# KiCad board coleco_original_main_only.kicad_pcb (continued)
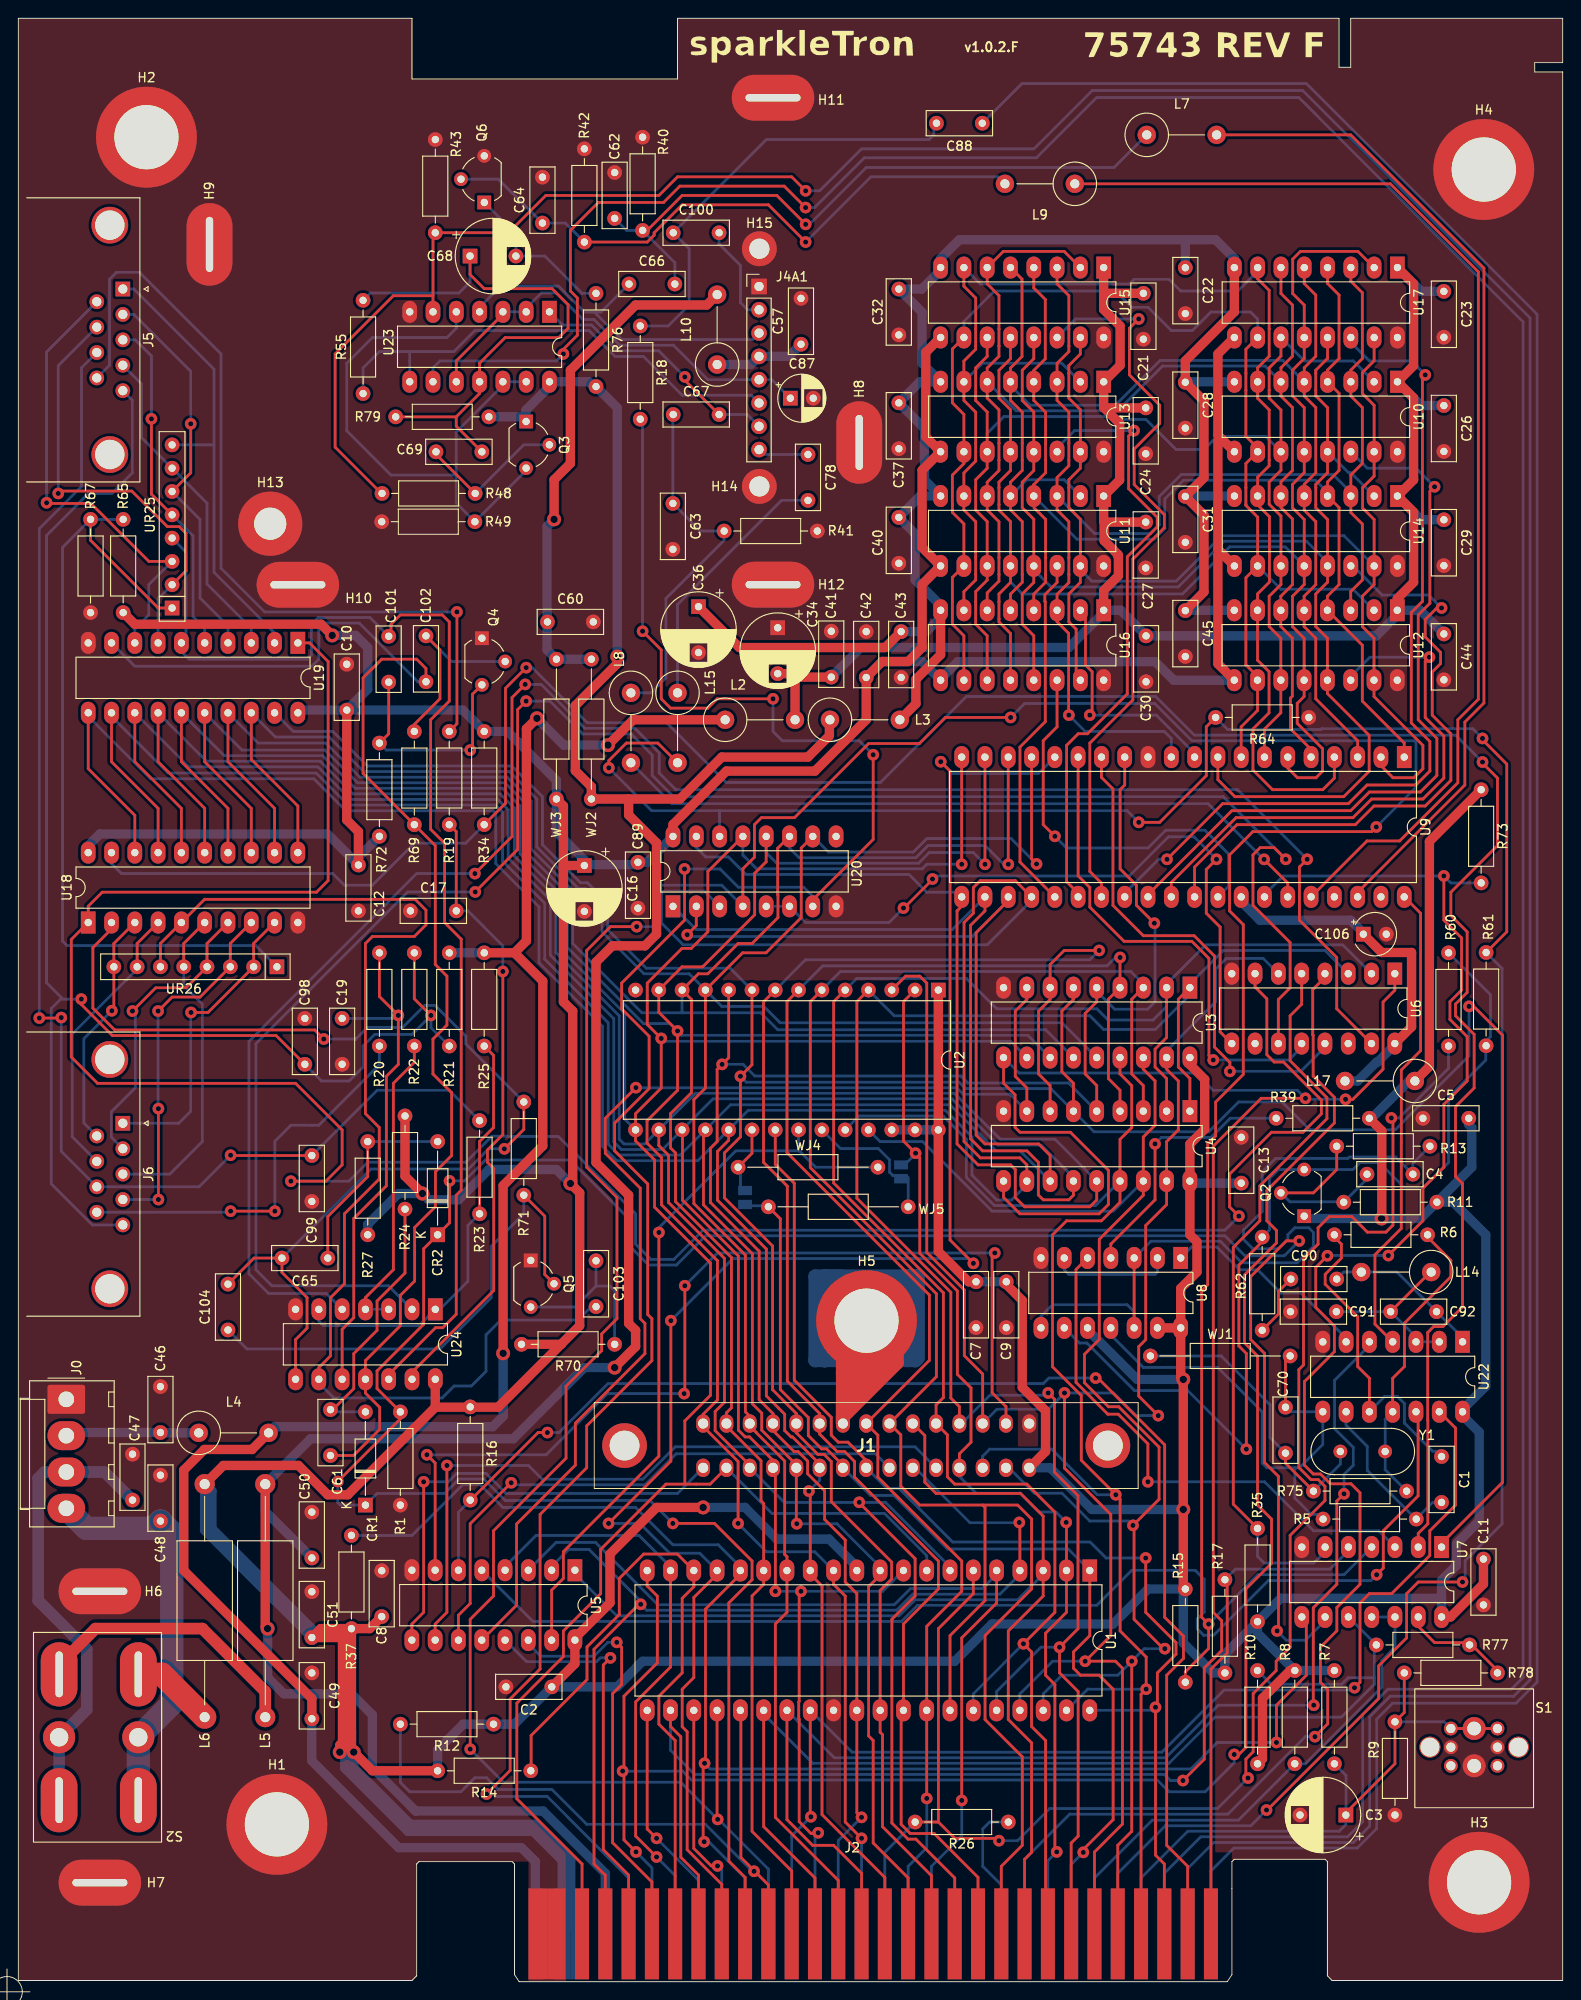
[diagram p0: board, top side]
## Routing (per net, layer and track width the routed paths; a pad name or vN(x,y) marks a point on that pad's centre or on a via; arc(x,y) is an arc through that point) (continued)
  Top w0.305: U9.24 108.71,120.02 104.9,120.02 104.14,119.25 104.14,116.46 103.12,115.44 103.12,91.57 104.9,89.79 109.22,89.79 109.97,89.04 U4.11 ; J2.16 94.49,11.36 87.64,18.21 87.64,43.13 86.36,44.41 U1.13 86.36,53.31 v1(86.2,53.47) ; U19.11 7.62,132.21 12.7,127.13 U18.18 ; U2.19 77.46,91.71 76.23,90.48 76.23,85.18 81.57,79.85 81.57,63.85 82.91,62.51 83.57,61.85 83.57,60.07 84.26,59.38 84.42,59.38 87.38,56.42 J1.12
  Bottom w0.305: U9.24 110.49,117.84 105.67,113.02 72.48,113.02 70.13,115.38 70.13,118.86 74.81,118.86 U20.3 ; U19.11 7.62,137.9 14.41,131.11 32.22,131.11 35.71,127.62 51.8,127.62 52.06,127.36 52.06,121.87 56.78,117.15 56.78,111.06 63.7,104.13 63.7,91.04 65.26,89.48 74.1,89.48 U2.19 79.59,94.97 101.09,94.97 103.99,92.07 103.99,87.91 106.7,85.2 108.31,85.2 109.97,86.86 U4.11 ; J1.12 87.38,54.64 v1(86.2,53.47)
/cpu/~{BUSAK}: length 26
  Top w0.305: v1(76.24,12.62) 75.56,12.62 73.66,14.52 U1.23
  Bottom w0.305: J2.52 76.71,12.15 v1(76.24,12.62)
/cpu/~{BUSRQ}: length 76.1
  Top w0.305: 80.45,11.87 80.3,12.03 v1(80.23,12.03) ; 80.45,11.87 81.79,10.54 J2.11 ; 80.45,11.87 78.79,13.54 78.79,29.52 U1.25
  Bottom w0.305: v1(80.23,12.03) 80.05,12.03 74.93,17.15 61.98,17.15 58.17,20.96 52.32,20.96 51.05,22.22 49.78,22.22 48.26,20.7 42.67,20.7 41.66,21.72 R12.2
/cpu/~{HALT}: length 76.8
  Top w0.305: J2.7 71.63,26.29 69.85,28.07 69.85,31.12 72.39,33.66 72.39,41.78 73.66,43.05 U1.18 71.86,46.61 68.2,46.61 65.53,43.95 65.53,40 62.01,36.48 62.01,32.93 55.91,26.83 55.91,23.02 R14.1
/cpu/~{IORQ}: length 207.6
  Top w0.305: v1(67.35,14.14) 66.04,15.45 66.04,22.8 v1(65.9,22.95) 66.04,23.09 66.04,31.12 69.68,34.75 69.68,42.02 68.58,43.13 U1.20 ; U6.4 142.48,109.47 141.15,108.14 141.15,103.22 141.2,103.17 141.2,98.71 143.51,96.39 143.51,93.6 136.14,86.23 136.14,82.93 137.19,81.88 137.19,80.52 133.71,77.04 133.71,69.62 135.13,68.2 135.13,51.94 136.65,50.42 136.65,45.59 133.86,42.8 133.86,25.53 133.1,24.77 v1(132.59,24.77)
  Bottom w0.305: J2.55 69.09,12.41 v1(67.35,14.14) ; v1(132.59,24.77) 132.59,23.87 129.42,20.7 125.48,20.7 124.21,21.97 73.41,21.97 72.43,22.95 v1(65.9,22.95)
/cpu/~{MREQ}: length 64.6
  Top w0.305: U1.19 71.12,34.29 67.31,30.48 67.31,15.88 v1(69.6,13.59)
  Bottom w0.305: U5.4 53.07,45.25 56.47,48.64 67.69,48.64 71.12,45.21 U1.19 ; v1(69.6,13.59) 71.63,11.56 J2.54
/cpu/~{NMI}: length 187.7
  Top w0.305: U1.17 76.2,44.41 73.66,41.88 73.66,33.15 72.39,31.88 72.39,27.79 72.93,27.24 72.93,14.39 76.71,10.61 J2.9 ; v1(71.15,72.04) 71.15,56.74 v1(64.36,49.94) ; v1(104.14,78.3) 101.6,80.84 101.6,131.95 v1(100.58,132.97)
  Bottom w0.305: U1.17 74.31,46.7 71.03,46.7 67.78,49.94 v1(64.36,49.94) ; v1(104.14,78.3) 103.62,78.82 77.93,78.82 v1(71.15,72.04) ; U9.16 111.25,131.7 101.85,131.7 v1(100.58,132.97)
/cpu/~{RD}: length 26.7
  Top w0.305: U1.21 68.58,16.64 v1(69.6,15.62)
  Bottom w0.305: J2.53 74.17,11.05 v1(69.6,15.62)
/cpu/~{WR}: length 264.6
  Top w0.305: U1.22 71.12,27.82 72.24,26.7 72.24,13.56 74.17,11.62 J2.8 ; v1(144.73,96.17) 145.52,96.17 148.82,99.46 148.82,106.78 150.1,108.06 U6.1 ; U4.10 107.43,85.48 109.22,83.69 117.86,83.69 118.87,84.71 118.87,88.43 114.72,92.58 109.22,92.58 108.69,93.11 108.69,96.67 107.43,97.93 U3.10 ; v1(127,21.92) 129.32,24.24 129.32,34.2 131.22,36.09 131.22,39.34 130.3,40.26 130.3,91.06 135.53,96.28 v1(140.35,96.28)
  Bottom w0.305: U3.10 109.12,99.03 128.42,99.03 130.3,97.16 139.48,97.16 v1(140.35,96.28) 140.46,96.17 v1(144.73,96.17) ; v1(127,21.92) 125.63,21.92 124.97,22.58 73.76,22.58 71.12,25.22 U1.22
/decoder_logic/AUX_DECODE_1: length 148.3
  Top w0.305: v1(117.47,65.79) 117.73,65.79 125,58.51 125,39.72 127.05,37.67 127.05,35.23 125.22,33.4 125.22,14.86 127.51,12.57 J2.29 ; 49.28,52.45 56.68,59.85 v1(57.69,59.85)
  Bottom w0.305: v1(117.47,65.79) 112.38,65.79 111.77,65.19 64.3,65.19 58.96,59.85 v1(57.69,59.85) ; U5.6 47.99,51.17 49.28,52.45
/decoder_logic/~{CS_h2000}: length 45.4
  Top w0.305: J2.6 69.09,10.86 64.8,15.15 64.8,31.4 65.79,32.39 65.79,36.45 v1(65.25,36.98)
  Bottom w0.305: U5.14 55.61,36.83 56.95,35.48 62.79,35.48 64.29,36.98 v1(65.25,36.98)
/decoder_logic/~{CS_h4000}: length 44.2
  Top w0.305: v1(64.56,35.29) 63.79,34.52 63.79,14.39 66.55,11.62 J2.5
  Bottom w0.305: v1(64.56,35.29) 63.46,35.29 63.04,34.87 55.42,34.87 U5.13
/decoder_logic/~{CS_h8000}: length 62.9
  Top w0.305: v1(53.74,54.38) 49.27,49.91 49.27,41.22 47.99,39.94 U5.11
  Bottom w0.305: J1.18 93.47,57.53 71.73,57.53 68.36,54.16 53.96,54.16 v1(53.74,54.38)
/decoder_logic/~{CS_hA000}: length 75.9
  Top w0.305: U5.10 45.45,38.97 46.73,40.26 46.73,56.26 v1(46.74,56.26)
  Bottom w0.305: J1.22 97.79,58.29 71.63,58.29 68.11,54.77 57.12,54.77 55.63,56.26 v1(46.74,56.26)
/decoder_logic/~{CS_hC000}: length 50.7
  Top w0.305: v1(44.2,54.48) 44.19,54.48 44.19,40.26 42.91,38.97 U5.9
  Bottom w0.305: v1(44.2,54.48) 46.89,54.48 47.81,55.4 51,55.4 53.19,53.21 71.88,53.21 J1.2
/decoder_logic/~{CS_hE000}: length 110.2
  Top w0.305: v1(106.48,79.43) 106.18,79.13 106.18,64.19 107.7,62.68 J1.27 ; v1(72.68,75.85) 72.68,64.17 v1(72.6,64.09) ; v1(44.55,57.43) 45.45,56.53 U5.7
  Bottom w0.305: v1(72.68,75.85) 76.25,79.43 v1(106.48,79.43) ; v1(72.6,64.09) 64.22,64.09 57.56,57.43 v1(44.55,57.43)
/decoder_logic/~{CSR}: length 54.1
  Top w0.305: v1(130.3,100.46) 129.83,100.93 129.83,111.53 127.97,113.4 120.57,113.4 116.84,117.13 116.84,119.25 115.56,120.53 U9.15
  Bottom w0.305: v1(130.3,100.46) 138.55,100.46 139.94,101.85 U6.12
/decoder_logic/~{CSW}: length 55.2
  Top w0.305: U9.14 118.11,131.26 119.36,130.01 119.36,117.32 122.67,114 128.22,114 130.44,111.79 130.44,101.87 132.11,100.19 v1(132.11,99.22)
  Bottom w0.305: v1(132.11,99.22) 139.85,99.22 142.48,101.85 U6.13
/decoder_logic/~{RAM_CS}: length 129
  Top w0.305: U4.8 109.97,97.42 108.71,98.68 108.71,105.79 109.97,107.05 U3.8 ; v1(67.34,97.44) 64.01,94.11 64.01,90.3 67.82,86.49 67.82,72.26 68.33,71.75 68.33,68.45 60.74,60.87 60.74,56.3 54.33,49.88 54.33,41.02 U5.12
  Bottom w0.305: U4.8 108.12,96.73 103.03,96.73 102.32,97.44 67.35,97.44 v1(67.34,97.44)
/decoder_logic/~{ROM_ENABLE}: length 82.4
  Top w0.305: U5.15 58.15,42.67 59.43,43.95 59.43,46.86 69.85,57.28 v1(69.85,81.66)
  Bottom w0.305: v1(69.85,81.66) 69.85,82.17 78.23,90.55 85.08,90.55 U2.22 85.08,90.63 86.94,88.77 WJ4.2
/decoder_logic/~{SND_ENABLE}: length 76.5
  Top w0.305: v1(130.66,122.34) 129.54,121.22 129.54,116.46 131.05,114.95 131.05,103.52 U6.9 ; v1(99.68,120.19) 99.68,120.13 96.57,117.02 v1(96.52,117.02)
  Bottom w0.305: U20.5 U20.6 85.85,115.44 94.94,115.44 v1(96.52,117.02) ; v1(99.68,120.19) 100.02,120.52 121.16,120.52 125.43,124.79 128.2,124.79 v1(130.66,122.34)
/io_ports/EXT_SOUND: length 279.7
  Bottom w0.305: J2.31 130.05,12.06 132.54,14.56 146.01,14.56 148.12,16.67 148.12,28.61 149.86,30.35 163.32,30.35 165.61,32.64 165.61,181.74 140.46,206.88 109.43,206.88 C88.1
/io_ports/EXT_VIDEO: length 361.9
  Top w0.305: v1(85.85,193.37) 83.51,195.71 72.14,195.71 70.36,193.93 63.25,193.93 60.2,190.88 60.2,184.28 60.96,183.52 60.96,179.45 59.44,177.93 v1(59.44,177.42)
  Bottom w0.305: v1(59.44,177.42) 58.67,176.66 45.97,176.66 45.22,175.9 U23.9 ; v1(85.85,193.37) 86.82,193.37 92.25,198.81 111.03,198.81 117.59,205.36 139.64,205.36 164.08,180.92 164.08,33.15 162.81,31.88 149.35,31.88 146.59,29.12 146.59,17.43 144.94,15.78 128.94,15.78 124.97,11.81 J2.33
/io_ports/EXT_VIDEO_SEL: length 385.1
  Top w0.305: U23.6 45.22,183.76 ; 45.22,183.76 40.89,183.76 34.54,177.42 34.54,167.26 39.62,162.18 ; 45.22,183.76 45.22,190.38 R43.2 53.45,190.63 57.52,194.69 69.85,194.69 71.88,196.72 84.33,196.72 v1(85.85,195.2)
  Bottom w0.305: v1(85.85,195.2) 87.38,195.2 91.95,199.77 110.74,199.77 117.09,206.12 140.07,206.12 164.85,181.34 164.85,32.89 163.07,31.12 149.61,31.12 147.35,28.86 147.35,16.95 145.57,15.17 130.36,15.17 127.51,12.32 J2.32
/io_ports/SND_OUT: length 236.6
  Top w0.305: U20.7 86.63,117.91 93.22,124.5 v1(93.22,133.73) ; v1(51.05,20.45) 53.63,23.02 53.63,30.82 56.89,34.08 56.89,50.92 61.98,56.01 61.98,60.58 69.09,67.69 69.09,72.26 68.63,72.72 68.63,86.94 65.02,90.55 65.02,93.58 68.78,97.34 68.78,103.05 65.79,106.05 65.79,108.84 72.65,115.7 72.65,121.28 v1(72.64,121.29) ; v1(82.3,139.83) 76.2,139.83 75.18,138.81 71.12,138.81 70.1,139.83 70.1,145.16 v1(68.07,147.19)
  Bottom w0.305: v1(68.07,147.19) 68.07,170.05 R18.2 ; J2.56 66.55,11.3 57.66,20.19 52.07,20.19 51.82,20.45 v1(51.05,20.45) ; v1(93.22,133.73) 91.69,135.25 83.31,135.25 82.3,136.27 v1(82.3,139.83) ; v1(72.64,121.29) 76.52,121.29 78.52,119.29 85.63,119.29 86.63,118.29 U20.7
/io_ports/~{VDP_RESET}: length 186.2
  Top w0.305: v1(142.75,79.12) 141.48,77.85 141.48,73.49 143.51,71.46 143.51,68.67 140.24,65.41 140.24,56.3 141.2,55.33 142,55.33 143.07,54.26 145.32,54.26 146.3,53.28 146.3,43.31 143.78,40.78 143.78,38.24 141.99,36.45 141.99,32.62 142.78,31.83 142.78,28.1 v1(141.38,26.7) ; v1(155.45,120.52) 155.45,115.7 157.38,113.77 157.38,108.08 156.11,106.81 156.11,104.88 157.99,103 157.99,98.17 155.45,95.63 155.45,88.77 153.16,86.49 153.16,82.93 149.4,79.16 v1(149.4,79.15)
  Bottom w0.305: U9.34 135.88,118.49 137.92,120.52 v1(155.45,120.52) 156.21,119.76 R73.2 ; v1(141.38,26.7) 140.34,26.7 131.9,18.26 114.66,18.26 109.73,13.34 J2.39 ; v1(149.4,79.15) 149.39,79.16 142.78,79.16 v1(142.75,79.12)
/psu/+5NF: length 9.2
  Top w2.54: S2.3 15.65,33.5 L6.1
/psu/+12NF: length 29.8
  Top w1.27: 4.45,34.51 8.41,38.48 20.07,38.48 26.92,31.62 L5.1
/rf_mod/B-Y: length 78.6
  Top w0.305: U9.35 138.43,119.75 v1(135.85,122.33)
  Bottom w0.305: v1(135.85,122.33) 135.81,122.33 129.74,128.4 71.26,128.4 L8.2
/rf_mod/R-Y: length 109.4
  Top w0.305: L7.2 145.29,201.3 159.82,186.77 159.82,139.37 157.73,137.29 157.73,130.43 146.05,118.74 U9.38
/rf_mod/sub_rf_mod/2: length 10.9
  Bottom w0.305: C100.2 76.41,189.4 78.74,187.07 78.74,183.01 79.52,182.23 J4A1.2
/rf_mod/sub_rf_mod/3: length 40.3
  Bottom w0.305: 62.23,181.99 61.72,181.99 58.89,184.82 52.61,184.82 50.3,182.5 U23.4 ; 62.23,181.99 63.54,181.99 C66.1 ; 62.23,181.99 62.81,181.99 65.82,178.98 80.06,178.98 J4A1.3
/rf_mod/sub_rf_mod/5: length 46.9
  Top w0.305: U23.3 52.84,181.74 47.76,176.66 U23.10
  Bottom w0.305: C87.1 82.17,174.61 J4A1.5 75.2,174.61 71.44,178.37 65.57,178.37 62.76,181.18 61.56,181.18 58.68,184.06 57.03,184.06 55.38,182.41 U23.2 U23.3
/rf_mod/sub_rf_mod/6: length 54.2
  Bottom w0.305: J4A1.6 79.92,172.92 72.39,172.92 68.16,177.15 65.06,177.15 62.25,179.96 49.78,179.96 47.5,177.67 42.67,177.67 ; R55.1 37.59,175.9 39.37,177.67 42.67,177.67 ; 42.67,177.67 42.67,176.66 42.68,176.65 U23.8
/rf_mod/sub_rf_mod/7: length 28.2
  Top w0.305: v1(72.68,174.91) 72.68,174.55 C67.2
  Bottom w0.305: v1(72.68,174.91) 69.83,177.76 65.32,177.76 62.51,180.57 59.35,180.57 U23.1 ; C67.2 79.49,170.81 J4A1.7
/rf_mod/sub_rf_mod/8: length 5.6
  Bottom w0.305: C78.1 81.31,166.46 J4A1.8
/rf_mod/Y: length 125.7
  Top w0.305: L9.1 149.61,195.96 159.21,186.36 159.21,139.78 156.97,137.54 156.97,130.68 150.62,124.33 147.06,124.33 U9.36
/video/AD0: length 25.6
  Top w0.305: U16.2 116.37,148.92 116.37,143.51 117.09,142.78 117.09,138.3 v1(116.84,138.05)
  Bottom w0.305: v1(116.84,138.05) 124.09,138.05 128.27,133.88 U9.10
/video/AD1: length 157.4
  Top w0.305: U15.13 110.73,176.9 109.47,175.64 109.47,172.34 110.73,171.08 U13.13 110.73,164.7 109.47,163.45 109.47,160.66 110.73,159.4 U11.13 110.73,152.51 109.47,151.25 109.47,147.96 110.73,146.7 U16.13 ; U17.13 142.76,176.93 141.48,175.64 141.48,175.3 141.48,175.3 141.48,173.46 141.48,173.46 141.48,172.85 142.76,171.56 U10.13 142.76,164.48 141.48,163.19 141.48,162.85 141.48,162.85 141.48,161.01 141.48,161.01 141.48,160.66 142.76,159.37 U14.13 142.76,152.54 141.48,151.26 141.48,147.7 142.75,146.43 U12.13 142.75,140.4 147.3,135.85 147.3,131.94 144.53,129.16 132.66,129.16 130.81,131.01 U9.9
  Bottom w0.305: U14.13 142.76,154.71 140.48,157 131.47,157 126.49,152.02 112.62,152.02 110.73,153.91 U11.13 ; U10.13 145.06,164.47 145.31,164.47 U14.2
/video/AD2: length 144.9
  Top w0.305: U15.10 101.85,177.95 101.85,172.09 103.11,170.83 U13.10 103.11,165.47 101.85,164.21 101.85,162.85 101.85,162.85 101.85,161.01 101.85,161.01 101.85,160.15 103.11,158.89 U11.10 101.85,153.06 101.85,150.4 101.85,150.4 101.85,147.96 103.11,146.7 U16.10 ; U9.8 133.34,136.77 135.13,138.56 U12.10 135.13,142.26 133.86,143.53 133.86,153.03 U14.10 135.14,159.62 133.86,160.91 133.86,161.01 133.86,161.01 133.86,162.85 133.86,162.85 133.86,165.48 U10.10 135.14,167.16 133.86,168.45 133.86,173.46 133.86,173.46 133.86,175.3 133.86,175.3 133.86,177.93 U17.10
  Bottom w0.305: U15.10 103.11,180.96 106.43,184.28 119.63,184.28 121.41,182.5 123.19,182.5 125.73,179.96 128.02,179.96 130.05,181.99 134.37,181.99 135.14,181.21 U17.10 ; U12.2 145.54,151.76 137.69,151.76 U14.10
/video/AD3: length 139.9
  Top w0.305: U15.11 105.65,177.15 104.39,175.89 104.39,172.34 105.65,171.08 U13.11 105.65,164.96 104.39,163.7 104.39,162.85 104.39,162.85 104.39,160.4 105.65,159.15 U11.11 105.65,152.77 104.39,151.51 104.39,150.4 104.39,150.4 104.39,147.96 105.65,146.7 U16.11 ; U17.11 137.68,177.18 136.4,175.9 136.4,175.3 136.4,175.3 136.4,173.46 136.4,173.46 136.4,172.59 137.68,171.31 U10.11 137.68,164.73 136.4,163.45 136.4,161.03 137.68,159.75 U14.11 137.68,152.29 136.4,151 136.4,147.7 137.67,146.43 U12.11 137.67,138.3 135.88,136.52 U9.7
  Bottom w0.305: U13.11 105.65,168.77 107.48,170.59 120.31,170.59 120.62,170.28 122.96,170.28 126.24,167 129.29,167 130.7,168.42 136.03,168.42 U10.11 ; U10.2 145.57,176.66 140.24,176.66 U17.11
/video/AD4: length 154.5
  Top w0.305: U15.12 108.19,176.9 106.93,175.64 106.93,172.6 108.19,171.34 U13.12 108.19,164.7 106.93,163.45 106.93,162.85 106.93,162.85 106.93,161.01 106.93,161.01 106.93,160.4 108.19,159.15 U11.12 108.19,152.51 106.93,151.26 106.93,150.4 106.93,150.4 106.93,148.56 106.93,148.56 106.93,148.21 108.19,146.95 U16.12 ; U9.6 138.43,132.28 139.48,131.23 141.51,131.23 142.22,131.94 142.22,134.4 139.46,137.16 139.46,139.33 140.21,140.08 U12.12 140.21,146.43 138.94,147.7 138.94,151 140.22,152.29 U14.12 140.22,159.37 138.94,160.66 138.94,161.01 138.94,161.01 138.94,162.85 138.94,162.85 138.94,163.19 140.22,164.48 U10.12 140.22,171.56 138.94,172.85 138.94,173.46 138.94,173.46 138.94,175.3 138.94,175.3 138.94,175.64 140.22,176.93 U17.12 140.22,182.74 138.97,184 138.97,187.75 139.81,188.59 146.08,188.59 U17.2
  Bottom w0.305: U14.12 138.14,156.39 132.08,156.39 126.94,151.26 109.47,151.26 108.19,152.54 U11.12
/video/AD5: length 146.3
  Top w0.305: U17.6 137.68,184.01 138.94,182.75 138.94,180.13 138.94,180.13 138.94,177.17 137.68,175.91 U10.6 137.68,172.83 138.94,171.57 138.94,164.72 137.68,163.46 U14.6 137.68,160.69 138.94,159.43 138.94,152.28 137.67,151 U12.6 137.67,147.7 138.93,146.44 138.93,140.12 138.72,139.91 138.72,136.56 140.97,134.31 U9.5 ; U15.2 114.05,188.59 107.41,188.59 U15.6 105.65,185.05 106.93,183.77 106.93,180.13 106.93,180.13 106.93,178.29 106.93,178.29 106.93,177.17 105.65,175.88 U13.6 105.65,172.61 106.93,171.32 106.93,167.68 106.93,167.68 106.93,165.84 106.93,165.84 106.93,164.72 105.65,163.43 U11.6 105.65,160.42 106.93,159.13 106.93,155.23 106.93,155.23 106.93,153.39 106.93,153.39 106.93,152.65 105.65,151.37 U16.6
  Bottom w0.305: U10.6 135.97,176.1 124.76,176.1 119.89,171.22 108.81,171.22 U13.6
/video/AD6: length 161.5
  Top w0.305: U9.4 143.5,131.19 142.24,129.92 136.77,129.92 134.63,132.06 134.63,136.53 136.39,138.29 136.39,142.78 135.13,144.04 U12.7 135.13,151.26 136.43,152.55 136.43,159.68 135.14,160.96 U14.7 135.14,163.97 136.4,165.23 136.4,165.84 136.4,165.84 136.4,171.32 135.14,172.58 U10.7 135.14,175.91 136.4,177.17 136.4,180.13 136.4,180.13 136.4,184.34 135.14,185.6 U17.7 ; U16.7 103.11,151.5 104.39,152.78 104.39,153.39 104.39,153.39 104.39,155.23 104.39,155.23 104.39,159.13 103.11,160.42 U11.7 103.11,164.45 104.39,165.74 104.39,165.84 104.39,165.84 104.39,167.68 104.39,167.68 104.39,171.07 103.11,172.35 U13.7 103.11,176.64 104.39,177.93 104.39,178.29 104.39,178.29 104.39,180.13 104.39,180.13 104.39,183.52 103.11,184.8 U15.7
  Bottom w0.305: U17.7 135.14,186.43 132.99,184.28 126.75,184.28 125.48,185.55 121.67,185.55 121.16,185.04 104.9,185.04 U15.7 ; U13.2 113.79,176.4 105.13,176.4 U13.7
/video/AD7: length 144.8
  Top w0.305: U17.5 140.22,185.09 141.48,183.83 141.48,177.17 140.22,175.91 U10.5 140.22,172.83 141.48,171.57 141.48,164.47 140.22,163.21 U14.5 140.22,160.39 141.48,159.13 141.48,152.28 140.21,151 U12.5 140.21,147.7 141.48,146.43 141.48,139.83 146.05,135.26 U9.3 ; U15.5 109.45,185.57 109.45,177.14 108.19,175.88 U13.5 108.19,172.35 109.47,171.07 109.47,167.68 109.47,167.68 109.47,165.84 109.47,165.84 109.47,164.72 108.19,163.43 U11.5 108.19,160.43 109.47,159.14 109.47,155.23 109.47,155.23 109.47,153.39 109.47,153.39 109.47,152.53 108.19,151.24 U16.5
  Bottom w0.305: U11.5 109.96,163.7 114.04,163.7 U11.2 ; U10.5 137.9,176.71 124.51,176.71 119.63,171.83 110.34,171.83 108.19,173.98 U13.5
Net-(C1-Pad1): length 34.9
  Top w0.305: U22.10 147.33,65.77 146.05,67.05 146.05,72.48 142.51,76.02 142.51,77.1 144.27,78.87 144.27,80.39 143.26,81.41
  Bottom w0.305: C1.1 154.61,57.82 154.21,57.82 151.15,60.88 151.15,63.01 150.39,63.78 148.98,63.78 U22.10
Net-(C1-Pad2): length 18.4
  Bottom w0.305: C1.2 154.22,52.24 152.4,50.42 147.1,55.72 147.1,58.33 144.78,60.64 U22.9
Net-(C17-Pad2): length 68.3
  Top w0.305: C17.2 47.75,125.35 R19.2 ; U24.13 42.93,66.42 51.84,75.34 51.84,88.62 51.16,89.31 51.16,90.65 52.83,92.33 v1(52.83,110.11)
  Bottom w0.305: v1(52.83,110.11) 52.83,112.9 49.02,116.71 C17.2
Net-(C19-Pad2): length 56.1
  Top w0.305: U24.10 35.31,71.1 36.58,72.37 36.58,83.19 40.13,86.74 40.13,98.68 41.44,99.98 v1(41.44,105.32) 39.37,107.38 R20.2
  Bottom w0.305: v1(41.44,105.32) 41.11,104.99 C19.2
Net-(C62-Pad1): length 72.8
  Top w0.305: R40.1 68.58,190.88 72.39,194.69 82.7,194.69 v1(85.85,191.54)
  Bottom w0.305: v1(85.85,191.54) 86.26,191.54 92.46,197.74 119.49,197.74 L7.1 ; C66.2 71.59,187.37 R40.1 66.33,190.88 C62.1
Net-(C63-Pad1): length 39.7
  Bottom w0.305: L8.1 68.98,140.48 70.61,142.11 70.61,150.75 76.96,157.1 R41.1 74.38,158.12 C63.1 71.37,170.78 C67.1
Net-(C78-Pad2): length 28.6
  Bottom w0.305: L15.1 71.88,150.11 83.23,161.46 C78.2
Net-(C90-Pad1): length 6.9
  Top w0.305: R62.2 137.41,72.77 137.41,75.23 C90.1
Net-(C90-Pad2): length 17.4
  Bottom w0.305: U22.1 157.49,70.19 C92.2 150.33,77.34 L14.2 144.53,77.34 C90.2
Net-(C91-Pad2): length 19.1
  Top w0.305: C92.1 153.96,77.34 L14.1
  Bottom w0.305: C91.2 C92.1 152.41,70.27 U22.3 U22.2
Net-(C98-Pad2): length 163.5
  Top w0.305: v1(44.99,105.32) 43.18,107.13 R22.1 ; v1(6.87,107.1) 6.87,106.51 10.26,103.12 28.11,103.12 C98.2
  Bottom w0.305: C98.2 33.06,98.17 36.07,98.17 37.59,99.69 37.59,101.98 38.85,103.24 42.91,103.24 v1(44.99,105.32) 44.99,103.98 R21.1 ; v1(6.87,107.1) 4.61,107.1 3.59,106.08 3.59,86.96 8.07,82.48 J6.5 ; 4.86,107.1 3.08,108.87 3.08,157.64 7.65,162.21 10.19,162.21 12.43,164.45 12.43,172.38 J5.5
Net-(C99-Pad1): length 145.1
  Top w0.305: v1(4.68,105.08) 4.63,105.03 v1(2.29,105.03) ; v1(23.15,90.08) 23.18,90.04 C99.1
  Bottom w0.305: v1(23.15,90.08) 19.71,86.64 J6.8 4.68,90.51 v1(4.68,105.08) ; J5.8 6.89,175.91 6.89,162.98 2.29,158.37 v1(2.29,105.03) ; R23.1 46.99,97.16 39.12,97.16 C99.1
Net-(C100-Pad1): length 49.1
  Bottom w0.305: C88.2 99.82,202.27 99.82,201.3 99.31,200.79 81.57,200.79 C100.1 73.15,188.89 73.15,182.75 70.87,180.47 R18.1
Net-(J5-Pad9): length 91.9
  Top w0.305: R19.1 47.82,137.11 v1(47.82,149.3)
  Bottom w0.305: J5.9 9.94,176.18 9.94,185.55 10.7,186.31 13.21,186.31 22.1,177.42 22.1,154.05 26.85,149.3 v1(47.82,149.3)
Net-(J6-Pad9): length 44
  Top w0.305: v1(23.15,83.98) v1(27.97,83.98)
  Bottom w0.305: J6.9 23.03,83.87 v1(23.15,83.98) ; R20.1 39.37,99.95 32.77,93.34 29.72,93.34 27.97,91.6 v1(27.97,83.98)
Net-(R6-Pad2): length 33
  Top w0.305: 153.42,81.41 156.21,78.61 156.21,76.84 151.15,71.77 151.15,67.05 149.87,65.77 U22.11
  Bottom w0.305: U22.11 149.04,61.3 149.04,55.81 R75.1
Net-(R22-Pad2): length 33.5
  Top w0.305: U24.4 37.85,74.55 40.89,77.6 40.89,97.92 43.18,100.2 R22.2
  Bottom w0.305: U24.4 U24.3
Net-(R23-Pad2): length 47
  Top w0.305: R23.2 50.29,91.57 51.82,93.09 51.82,100.97 R25.1
  Bottom w0.305: R23.2 49.02,82.42 49.02,76.33 45.97,73.28 U24.1 43.69,71.5 33.27,71.5 32.77,72.01 U24.6
Net-(R77-Pad1): length 11.7
  Top w0.305: U7.13 152.65,38.74 154.43,36.96 158.24,36.96 161.29,33.91

## Copper pours and planes (outline as drawn; the poured copper is in the pictures)
GNDD on Top, Bottom: 169.16,-0.63 -0.51,-0.63 -0.51,214.5 169.16,214.5

## Text on the board
F.Silkscreen: v1.0.2.F
